# Altium PCB 自控开板V2.PcbDoc
Units mm, origin at the board's own origin, x right, y up, seen from the top; angles counter-clockwise.
Board outline 152.4 x 101.6 mm, 2 copper layers (Top Layer, Bottom Layer); 104 components, 0 nets, 414 pads, 162 vias.
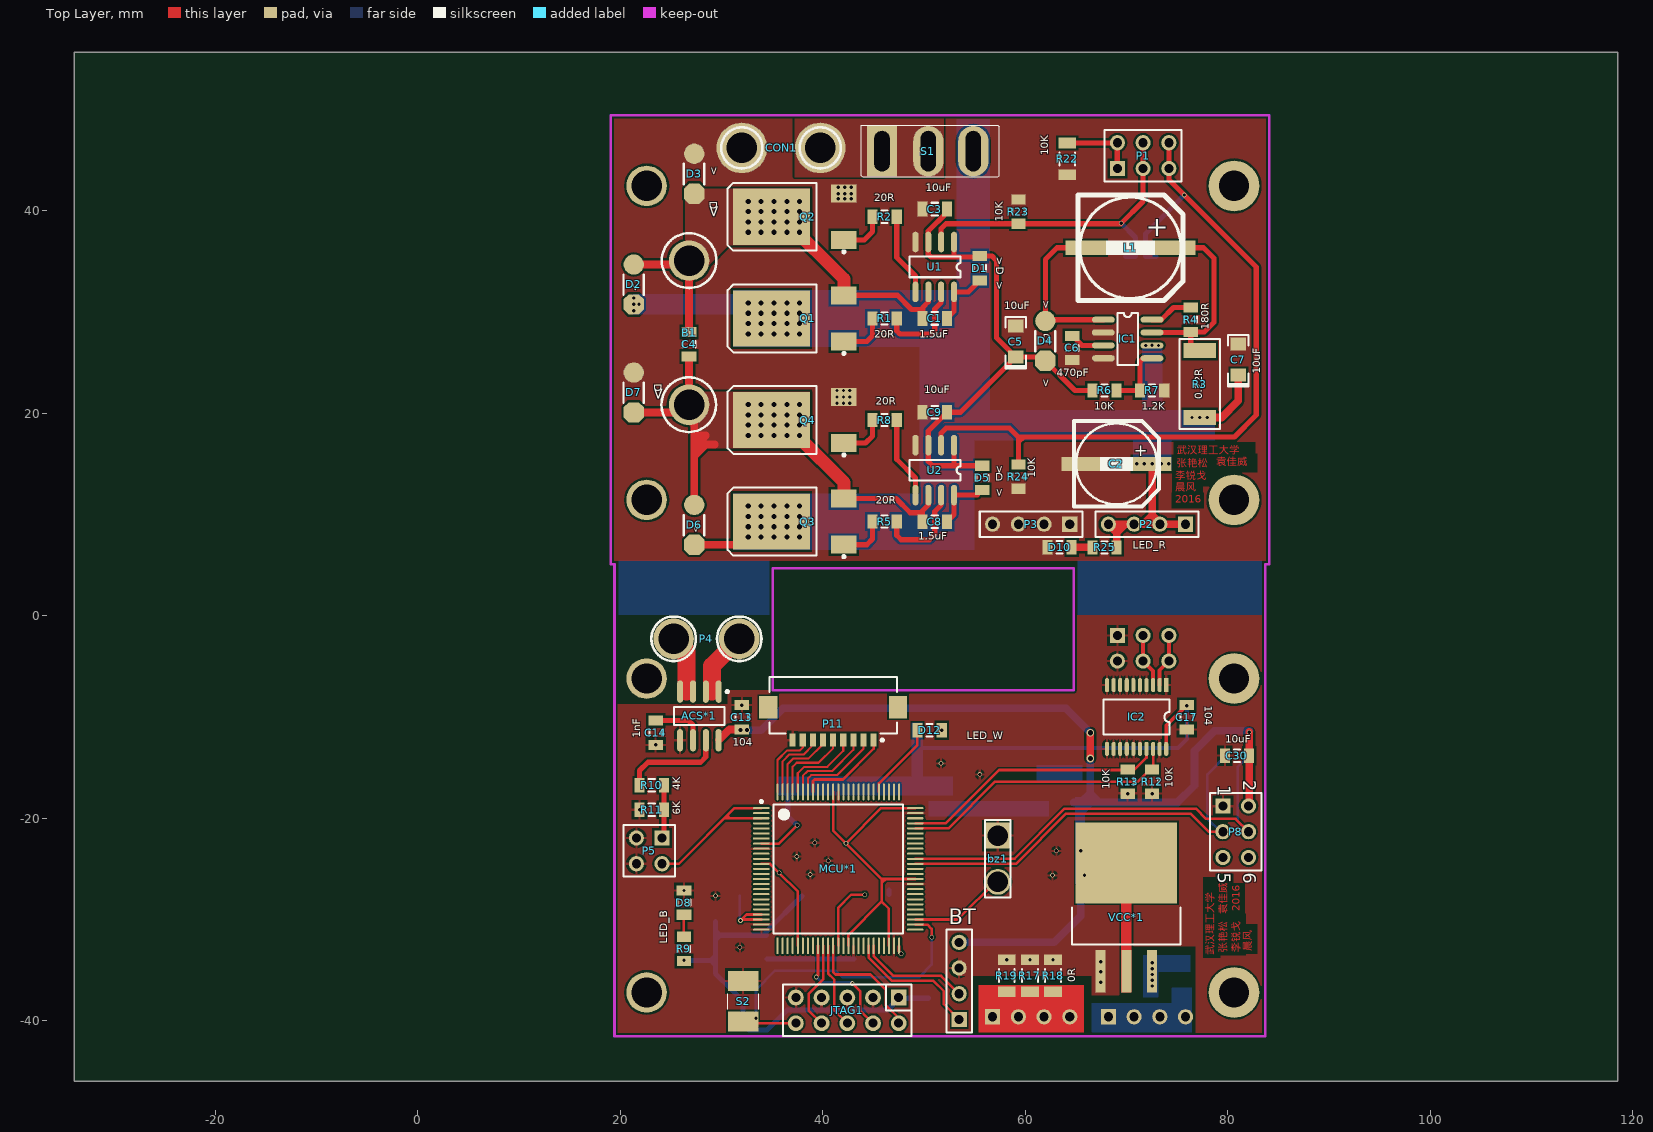
[diagram p0: Top Layer view]
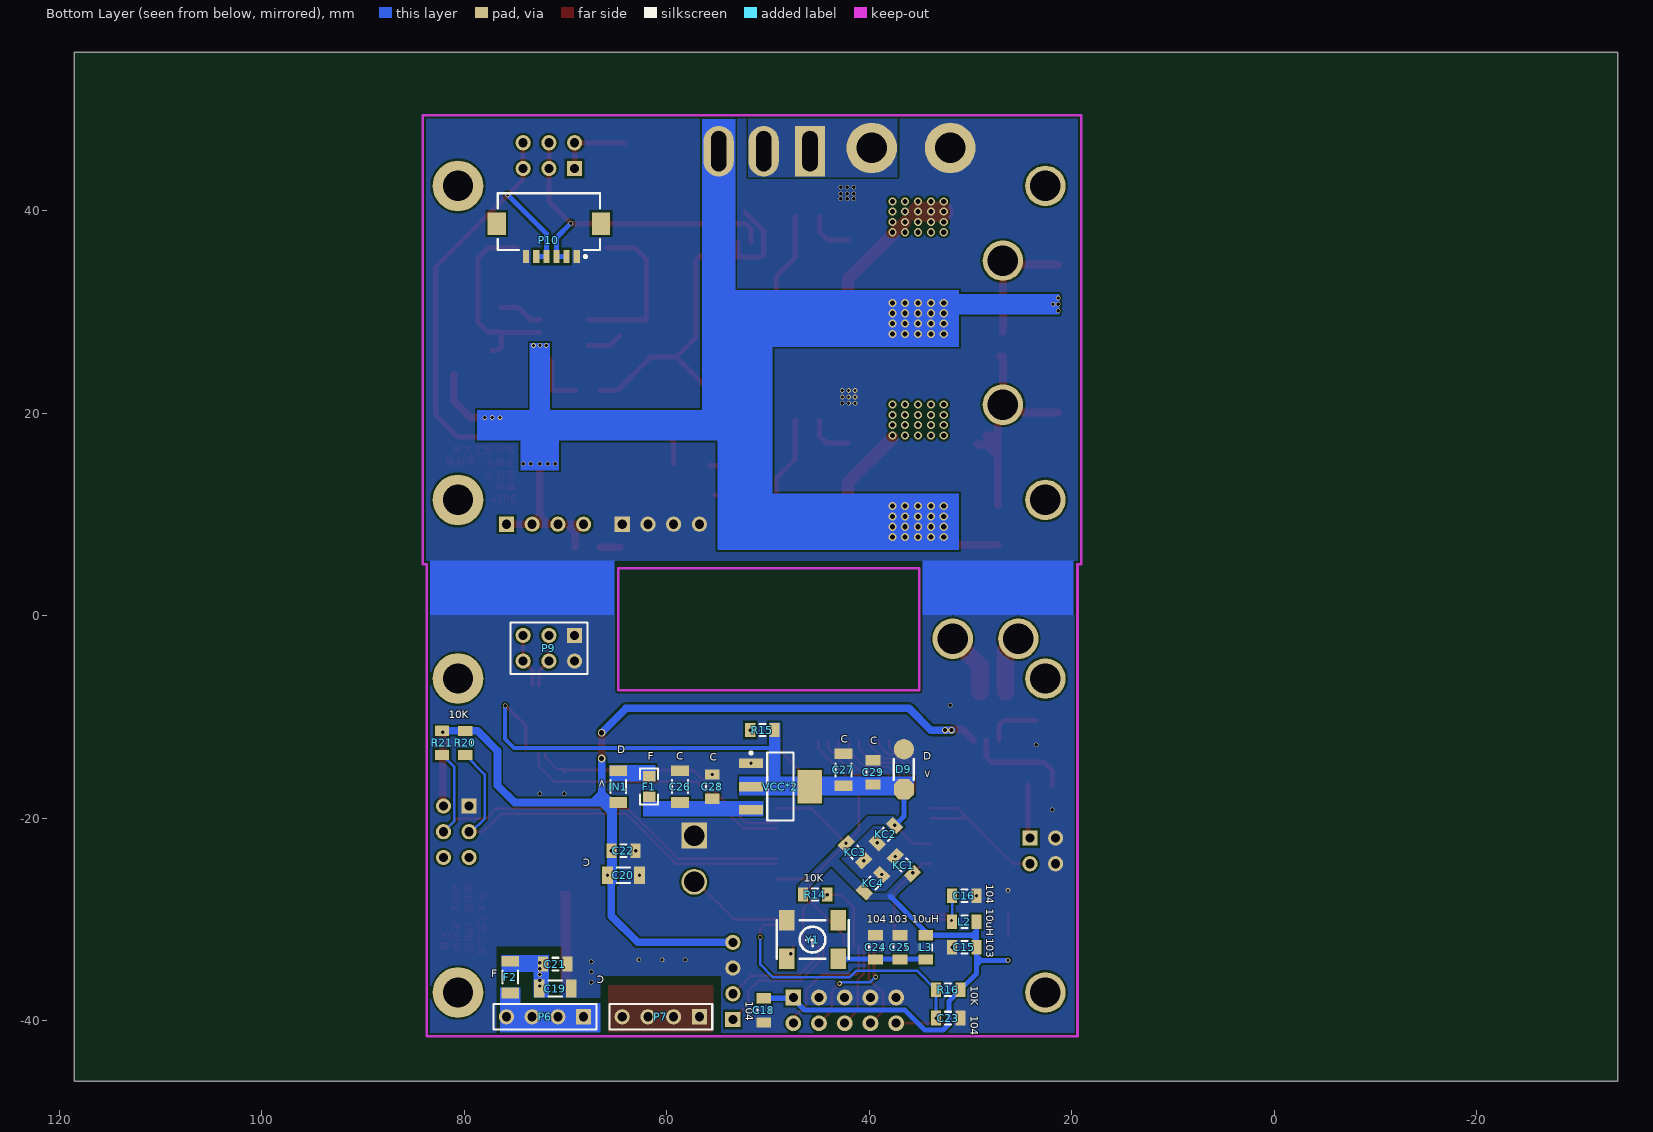
[diagram p1: Bottom Layer view, seen from below]

## Layer stack, top to bottom
Top Layer: signal copper 0.0356
Dielectric: dielectric 0.32, FR-4, Dk 4.8
Bottom Layer: signal copper 0.0356

## Board outline
-33.909,-45.974 118.491,-45.974 118.491,55.626 -33.909,55.626

## Design rules (kind name [scope] priority, off if disabled: settings)
Clearance [All] p1: gap=0.254
PolygonConnect [All] p1: connectstyle=Relief reliefconductorwidth=0.254 reliefentries=4 polygonreliefangle="90 Angle" airgapwidth=0.254
RoutingVias [All] p1: holewidth=0.711 width=1.27 viastyle="Through Hole" minholewidth=0.711 minwidth=1.27 maxholewidth=0.711 maxwidth=1.27
SolderMaskExpansion [All] p1: expansion=0.102
Width [All] p1: maxlimit=0.254 minlimit=0.254 preferedwidth=0.254
28 further rules are at their usual default settings.

## Components (designator, comment, footprint, x,y, rotation, side; value= is the part's Value field where it differs from the comment)
ACS*1 "ACS712 AMPSENSOR" "SOIC1-8N ACS712" 27.813,-9.906 r270 top
B1 "Motor" KF301-2P#1 26.924,22.225 r180 top
BT "Header 4" HDR1X4 53.467,-39.878 r90 top
bz1 "Header 3" HDR1X3 57.277,-21.463 r270 top
C1 "CAP" C2012 51.054,29.349 r0 top
C2 "Cap" SMD-EC-F8 72.517,14.986 r180 top
C3 "Cap Pol1" C2012 51.054,40.144 r180 top
C4 "Cap" C2012 26.797,26.797 r270 top
C5 "Cap Pol1" 1206C 59.055,27.063 r270 top
C6 "Cap" C2012 64.643,26.428 r90 top
C7 "Cap Pol1" 1206C 81.026,25.285 r270 top
C8 "Cap" C2012 51.054,9.283 r0 top
C9 "Cap Pol1" C2012 51.054,20.078 r180 top
C13 "Cap" C2012 32.004,-10.033 r270 top
C14 "Cap" C2012 23.495,-11.557 r270 top
C15 "100nF" C2012 30.607,-32.754 r180 bottom
C16 "10nF" C2012 30.607,-27.674 r0 bottom
C17 "100nF" C2012 75.946,-10.033 r270 top
C18 "100nF" C2012 50.419,-38.977 r270 bottom
C19 "Cap Pol1" 1206(2) 70.993,-36.818 r180 bottom
C20 "Cap Pol1" 1206(2) 64.262,-25.642 r180 bottom
C21 "Cap" C2012 70.993,-34.405 r0 bottom
C22 "Cap" C2012 64.262,-23.229 r0 bottom
C23 "100nF" C2012 32.201,-39.739 r0 bottom
C24 "10nF" C2012 39.37,-32.754 r270 bottom
C25 "100nF" C2012 36.957,-32.754 r270 bottom
C26 "Cap Pol1" 1206(2) 58.674,-16.879 r90 bottom
C27 "Cap Pol1" 1206(2) 42.545,-15.228 r90 bottom
C28 "Cap" C2012 55.499,-16.879 r270 bottom
C29 "Cap" C2012 39.624,-15.482 r270 bottom
C30 "Cap Pol1" C2012 80.899,-13.831 r180 top
CON1 "PowerIn" KF301-2P#2 35.941,46.184 r270 top
D1 "S4" R2012 55.499,34.302 r270 top
D2 "SS14" "hole-chip diode" 20.32,34.671 r270 top
D3 "SS14" "hole-chip diode" 26.289,45.605 r270 top
D4 "SS14" "hole-chip diode" 60.96,29.095 r270 top
D5 "S4" R2012 55.753,13.601 r270 top
D6 "SS14" "hole-chip diode" 26.289,10.934 r270 top
D7 "SS14" "hole-chip diode" 20.32,24.003 r270 top
D8 "POWER" C2012 26.289,-28.333 r90 top
D9 "1N4729A" "hole-chip diode" 37.592,-13.196 r270 bottom
D10 "POWER" C2012 63.373,6.743 r180 top
D12 "POWER" C2012 50.546,-11.303 r180 top
F1 "300mA" 0805(2012) 61.722,-16.879 r90 bottom
F2 "500mA" 1206(2) 75.438,-35.687 r90 bottom
IC1 "MC34063" MC34063 70.104,27.317 r0 top
IC2 "74LVC245" "74LVC245 TSSOP" 73.914,-6.858 r270 top
IN1 "1SS355" 1206(2) 64.77,-16.879 r90 bottom
JTAG1 "Header 5X2" IDC5X2 42.418,-38.977 r180 top
KC1 "100nF" C2012 36.576,-24.626 r225 bottom
KC2 "100nF" C2012 38.354,-21.578 r135 bottom
KC3 "100nF" C2012 41.402,-23.356 r45 bottom
KC4 "100nF" C2012 39.624,-26.404 r315 bottom
L1 "Inductor" SMD-EC-F10 74.803,36.322 r180 top
L2 "Inductor" C2012 30.607,-30.214 r0 bottom
L3 "Inductor" C2012 34.417,-32.754 r270 bottom
MCU*1 "k60P100" LQFP100 41.529,-25.007 r0 top
P1 "Header 3X2" HDR2X3 69.088,44.152 r0 top
P2 "Header 4" HDR1X4 75.819,9.029 r180 top
P3 "Header 4" HDR1X4 64.389,9.029 r180 top
P4 "Header 2" KF301-2P#3 27.813,-2.286 r270 top
P5 "Header 2X2" HDR2X2 24.13,-21.959 r180 top
P6 "Header 4" HDR1X4 68.199,-39.612 r0 bottom
P7 "Header 4" HDR1X4 56.769,-39.612 r0 bottom
P8 "Header 3X2" HDR2X3 79.502,-18.796 r270 top
P9 "Header 3X2" HDR2X3 69.088,-1.949 r0 bottom
P10 "Header 6" FFC/SM1.0-2H6 71.628,37.084 r0 bottom
P11 "Header 9" FFC/SM1.0-2H9 41.021,-10.668 r180 top
Q1 "IR7843" LR7843 38.481,29.349 r0 top
Q2 "IR7843" LR7843 38.481,39.382 r0 top
Q3 "IR7843" LR7843 38.481,9.283 r0 top
Q4 "IR7843" LR7843 38.481,19.316 r0 top
R1 "Res2" R2012 46.101,29.349 r180 top
R2 "Res2" R2012 46.101,39.382 r180 top
R3 "Res2" SK54 77.216,22.872 r270 top
R4 "Res2" R2012 76.327,29.222 r270 top
R5 "Res2" R2012 46.101,9.283 r180 top
R6 "Res2" R2012 67.818,22.237 r0 top
R7 "Res2" R2012 72.517,22.237 r180 top
R8 "Res2" R2012 46.101,19.316 r180 top
R9 "1K" R2012 26.289,-32.905 r270 top
R10 "注意精度" R2012 23.114,-16.752 r0 top
R11 "注意精度" R2012 23.114,-19.165 r0 top
R12 "Res2" R2012 72.517,-16.383 r270 top
R13 "Res2" R2012 70.104,-16.383 r270 top
R14 "10K" R2012 45.339,-27.547 r180 bottom
R15 "1K" R2012 50.546,-11.303 r180 bottom
R16 "10K" R2012 32.201,-36.945 r180 bottom
R17 "Res2" 1206(2) 60.452,-35.548 r90 top
R18 "Res2" 1206(2) 62.738,-35.548 r90 top
R19 "Res2" 1206(2) 58.166,-35.548 r90 top
R20 "Res2" R2012 79.883,-12.573 r90 bottom
R21 "Res2" R2012 82.169,-12.561 r270 bottom
R22 "Res2" 1206(2) 64.135,45.097 r90 top
R23 "Res2" R2012 59.309,39.89 r270 top
R24 "Res2" R2012 59.309,13.728 r90 top
R25 "1K" R2012 67.818,6.743 r0 top
S1 "SW-SPST" SW-125V6A(-) 45.847,45.859 r0 top
S2 "SW-PB" "sw 3*4 *2" 30.607,-36.068 r270 top
U1 "IR2104S" IR2104 51.054,34.429 r270 top
U2 "IR2104S" IR2104 51.054,14.363 r270 top
VCC*1 "LM1086" "DPAK LM2940" 69.977,-28.817 r90 top
VCC*2 "LM1086" lm1117 47.752,-16.498 r0 bottom
Y1 "50MHZ" 贴片有源晶体 43.053,-30.087 r0 bottom

## Footprints (in the part's own frame and the unit in brackets; to place one, negate y for a bottom-side part, rotate by r counter-clockwise, add the part's x,y. Pads: shape width x height; smd on the part's side, far side on the other; paste and mask are expansions set on the pad)
"74LVC245 TSSOP" [mm]
  rect 1.4x0.4 smd: 1(0,0)
  oval 1.4x0.4 smd: 2(0,-0.65) 3(0,-1.3) 4(0,-1.95) 5(0,-2.6) 6(0,-3.25) 7(0,-3.9) 8(0,-4.55) 9(0,-5.2) 10(0,-5.85) 11(6.3,-5.85) 12(6.3,-5.2) 13(6.3,-4.55) 14(6.3,-3.9) 15(6.3,-3.25) 16(6.3,-2.6) 17(6.3,-1.95) 18(6.3,-1.3) 19(6.3,-0.65) 20(6.3,0)
  silkscreen extent 1.43,-6.18 4.87,0.33
0805(2012) [mil]
  rect 40x50 smd: 1(-40,0) 2(40,0)
  silkscreen extent -70,-35 70,35
1206(2) [mm]
  rect 1.05x1.75 smd: 1(-1.575,0) 2(1.575,0)
  silkscreen extent -0.65,-0.77 0.65,0.77, body extent -1.6,-0.8 1.6,0.8, height 1.6
1206C [mil]
  rect 50x60 smd: 1(60,0) 2(-60,0)
  silkscreen extent -95,-40 105,40
C2012 [mm] "Chip Capacitor, 2-Leads, Body 2.0x1.2mm, IPC Low Density"
  rect 1x1.45 smd: 1(-1.2,0) 2(1.2,0)
  silkscreen extent -0.3,-0.63 0.3,0.63, body extent -0.98,-0.6 1.02,0.6, height 0.5
"DPAK LM2940" [mm] "D2-PAK, 4-Pads, Body 7.93x8.69mm (max), IPC Medium Density"
  rect 4.2x1 smd: 1(-6.3,2.54) 2(-6.3,0) 3(-6.3,-2.54)
  rect 8x10 smd: 4(4.4,0)
  silkscreen extent -3.65,-5.35 0,5.35, body extent -3.65,-5.33 6,5.33, height 4.83
FFC/SM1.0-2H6 [mm] "Connector; FH12 Series; 6 Position; 1.0mm Spaced Bottom Eccentric Contact"
  rect 0.6x1.3 smd: 1(-2.75,1.625) 2(-1.75,1.625) 3(-0.75,1.625) 4(0.25,1.625) 5(1.25,1.625) 6(2.25,1.625)
  rect 1.8x2.2 smd: 7(5.15,-1.625) 8(-5.15,-1.625)
  silkscreen extent -5.05,-4.62 5.05,1.75, body extent -5.05,-4.62 5.05,0.97, height 2
FFC/SM1.0-2H9 [mm] "Connector; FH12 Series; 9 Position; 1.0mm Spaced Bottom Standard Contact"
  rect 0.6x1.3 smd: 1(-4,1.625) 2(-3,1.625) 3(-2,1.625) 4(-1,1.625) 5(0,1.625) 6(1,1.625) 7(2,1.625) 8(3,1.625) 9(4,1.625)
  rect 1.8x2.2 smd: 10(6.4,-1.625) 11(-6.4,-1.625)
  silkscreen extent -6.3,-4.62 6.3,1.75, body extent -6.3,-4.62 6.3,0.97, height 2
HDR1X3 [mil] "Connector; Header; 3 Position"
  rect 100x100 hole 80: 1(10,0)
  round 100 hole 80: 3(190,0)
  silkscreen extent -50,-50 250,50
HDR1X4 [mm] "Connector; Header; 4 Position"
  rect 1.5x1.5 hole 0.9: 1(0,0)
  round 1.5 hole 0.9: 2(2.54,0) 3(5.08,0) 4(7.62,0)
  silkscreen extent -1.27,-1.27 8.89,1.27, body extent -1.27,-1.27 8.89,1.27, height 7.58
HDR2X2 [mm] "Connector; Header; 2x2 Position"
  rect 1.5x1.5 hole 0.9: 1(0,0)
  round 1.5 hole 0.9: 2(0,2.54) 3(2.54,0) 4(2.54,2.54)
  silkscreen extent -1.27,-1.27 3.81,3.81, body extent -1.27,-1.27 3.81,3.81, height 7.58
HDR2X3 [mm] "Connector; Header; 3x2 Position"
  rect 1.5x1.5 hole 0.9: 1(0,0)
  round 1.5 hole 0.9: 2(0,2.54) 3(2.54,0) 4(2.54,2.54) 5(5.08,0) 6(5.08,2.54)
  silkscreen extent -1.27,-1.27 6.35,3.81
"hole-chip diode" [mm]
  round 2 smd: 1(0,1.016)
  oct 2x2 smd: 2(3.937,1.016)
  silkscreen extent 1,0 3,2
IDC5X2 [mil]
  rect 62x62 hole 35: 1(-200,-50)
  round 62 hole 35: 2(-200,50) 3(-100,-50) 4(-100,50) 5(0,-50) 6(0,50) 7(100,-50) 8(100,50) 9(200,-50) 10(200,50)
  silkscreen extent -250,-100 250,100
IR2104 [mil]
  oval 80x23.62 smd: 1(-97,75) 2(-97,25) 3(-97,-25) 4(-97,-75) 5(97,-75) 6(97,-25) 7(97,25) 8(97,75)
  silkscreen extent -40,-98 40,100
KF301-2P#1 [mm]
  round 4 hole 3: 1(0.127,-12.827) 2(0.127,1.397)
  silkscreen extent -2.57,-15.53 2.86,4.1
KF301-2P#2 [mm]
  round 5 hole 3: 1(0,-3.937) 2(0,3.81)
  silkscreen extent -2.03,-5.97 2.03,5.84
KF301-2P#3 [mm]
  round 4 hole 3: 1(0,-2.54) 2(0,3.937)
  silkscreen extent -2.2,-4.74 2.2,6.14
lm1117 [mm]
  rect 2.4x0.95 smd: 1(3.916,-1.919) 2(3.916,0.381) 3(3.916,2.681)
  rect 2.4x3.3 smd: 4(-1.884,0.381)
  silkscreen extent -0.28,-3.07 4.04,3.73, body extent -0.83,-2.97 2.87,3.73, height 1.8
LQFP100 [mm] "SQFP, 100-Leads, Body 14.00x14.00mm, Pitch 0.50mm, IPC Medium Density"
  oval 1.65x0.2 smd: 1(-7.6,6) 2(-7.6,5.5) 3(-7.6,5) 4(-7.6,4.5) 5(-7.6,4) 6(-7.6,3.5) 7(-7.6,3) 8(-7.6,2.5) 9(-7.6,2) 10(-7.6,1.5) 11(-7.6,1) 12(-7.6,0.5) 13(-7.6,0) 14(-7.6,-0.5) 15(-7.6,-1) 16(-7.6,-1.5) 17(-7.6,-2) 18(-7.6,-2.5) 19(-7.6,-3) 20(-7.6,-3.5) 21(-7.6,-4) 22(-7.6,-4.5) 23(-7.6,-5) 24(-7.6,-5.5) 25(-7.6,-6) 51(7.6,-6) 52(7.6,-5.5) 53(7.6,-5) 54(7.6,-4.5) 55(7.6,-4) 56(7.6,-3.5) 57(7.6,-3) 58(7.6,-2.5) 59(7.6,-2) 60(7.6,-1.5) 61(7.6,-1) 62(7.6,-0.5) 63(7.6,0) 64(7.6,0.5) 65(7.6,1) 66(7.6,1.5) 67(7.6,2) 68(7.6,2.5) 69(7.6,3) 70(7.6,3.5) 71(7.6,4) 72(7.6,4.5) 73(7.6,5) 74(7.6,5.5) 75(7.6,6)
  oval 0.2x1.65 smd: 26(-6,-7.6) 27(-5.5,-7.6) 28(-5,-7.6) 29(-4.5,-7.6) 30(-4,-7.6) 31(-3.5,-7.6) 32(-3,-7.6) 33(-2.5,-7.6) 34(-2,-7.6) 35(-1.5,-7.6) 36(-1,-7.6) 37(-0.5,-7.6) 38(0,-7.6) 39(0.5,-7.6) 40(1,-7.6) 41(1.5,-7.6) 42(2,-7.6) 43(2.5,-7.6) 44(3,-7.6) 45(3.5,-7.6) 46(4,-7.6) 47(4.5,-7.6) 48(5,-7.6) 49(5.5,-7.6) 50(6,-7.6) 76(6,7.6) 77(5.5,7.6) 78(5,7.6) 79(4.5,7.6) 80(4,7.6) 81(3.5,7.6) 82(3,7.6) 83(2.5,7.6) 84(2,7.6) 85(1.5,7.6) 86(1,7.6) 87(0.5,7.6) 88(0,7.6) 89(-0.5,7.6) 90(-1,7.6) 91(-1.5,7.6) 92(-2,7.6) 93(-2.5,7.6) 94(-3,7.6) 95(-3.5,7.6) 96(-4,7.6) 97(-4.5,7.6) 98(-5,7.6) 99(-5.5,7.6) 100(-6,7.6)
  silkscreen extent -7.72,-6.38 6.38,6.77, body extent -7,-7 7,7, height 1.7
LR7843 [mm]
  rect 2.54x1.778 smd: 1(3.6,-2.28) 3(3.6,2.28)
  rect 7.6x5.55 smd: 2(-3.556,0)
  silkscreen extent -7.87,-3.58 3.73,3.35
MC34063 [mm]
  oval 2.25x0.6 smd: 1(-2.4,1.905) 2(-2.4,0.635) 3(-2.4,-0.635) 4(-2.4,-1.905) 5(2.4,-1.905) 6(2.4,-0.635) 7(2.4,0.635) 8(2.4,1.905)
  silkscreen extent -1.02,-2.55 1.02,2.55
R2012 [mm] "Chip Resistor, 2-Leads, Body 2.0x1.2mm, IPC Low Density"
  rect 1x1.4 smd: 1(-1.2,0) 2(1.2,0)
  silkscreen extent -0.3,-0.6 0.3,0.6, body extent -0.98,-0.6 1.02,0.6, height 0.5
SK54 [mm]
  rect 1.52x3.18 smd: A(-3.305,0) K(3.305,0)
  silkscreen extent -4.43,-2 4.43,2.01
SMD-EC-F8 [mm]
  rect 3.8x1.4 smd: 1(0,0) 2(7.051,0)
  silkscreen extent -0.69,-4.22 7.71,4.2
SMD-EC-F10 [mm]
  rect 4x1.4 smd: 1(0,0) 2(8.86,0)
  silkscreen extent -0.78,-5.2 9.62,5.2
"SOIC1-8N ACS712" [mm]
  oval 2.2x0.6 smd: 1(-2.4,1.905) 2(-2.4,0.635) 3(-2.4,-0.635) 4(-2.4,-1.905) 5(2.4,-1.905) 6(2.4,-0.635) 7(2.4,0.635) 8(2.4,1.905)
  silkscreen extent -2.52,-2.5 0.9,2.88, body extent -2,-2.5 2,2.5, height 1.75
"sw 3*4 *2" [mm]
  rect 2x3 smd: 1(0,1.524) 2(4,1.524)
  silkscreen extent 1.27,0 2.79,3.05
SW-125V6A(-) [mm]
  rect 3x5 hole 1.5 slot 4 at 90 deg: 0(0,0)
  oval 3x5 hole 1.5 slot 4 at 90 deg: 1(4.572,0) 2(9.017,0)
  silkscreen extent -2.03,-2.54 11.56,2.54
贴片有源晶体 [mil]
  rect 60x80 smd: 1(0,0) 2(200,0) 3(200,150) 4(0,150)
  silkscreen extent -40,0 240,150, body extent -37,-23 238,173, height 74

## Part data
B1: library part "Motor Servo", "Servo Motor"
BT P2 P3 P6 P7: "Header, 4-Pin"
bz1: "Header, 3-Pin"
C1 C15 C16 C17 C18 C23 C24 C25 KC1 KC2 KC3 KC4: library part Cap, "Capacitor"
C2: library part CAP+
C3 C5 C7 C9 C19 C20 C26 C27 C30: "Polarized Capacitor (Radial)"
C4 C6 C8 C13 C14: "Capacitor"
C21 C22 C28 C29: "贴片电容"
CON1: library part "Header 2", "Header, 2-Pin"
D1 D2 D3 D4 D5 D6 D7: library part "Diode 1N4007", "1 Amp General Purpose Rectifier"
D8 D10 D12: library part LED, "Typical INFRARED GaAs LED"
D9 IN1: library part "Diode 1N4148", "High Conductance Fast Diode"
F1 F2: library part "Fuse 1", "Fuse"
JTAG1: "Header, 5-Pin, Dual row"
P1 P8 P9: "Header, 3-Pin, Dual row"
P4: "Header, 2-Pin"
P5: "Header, 2-Pin, Dual row"
P10: "Header, 6-Pin"
P11: "Header, 9-Pin"
Q1 Q2 Q3 Q4: library part NMOS-2, "N-Channel Power MOSFET"
R1 R2 R3 R4 R5 R6 R7 R8 R12 R13 R17 R18 R19 R20 R21 R22 R23 R24: "Resistor"
R9 R14 R15 R25: library part Res, "Resistor of led"
R10 R11: library part Res2, "Resistor"
R16: library part Res, "Resistor"
S1: "Single-Pole, Single-Throw Switch"
S2: "Switch"
U1 U2: library part Component_1_1
Y1: library part XTAL1

## Free pads (board coordinates)
  round 4 hole 3: ""(22.606,-37.211) ""(22.606,-6.211) ""(22.606,11.43) ""(22.606,42.43)
  round 5 hole 3: ""(80.606,-37.211) ""(80.606,-6.211) ""(80.606,11.43) ""(80.606,42.43)

## Via types
v1: diameter 0.8, hole 0.5, Top Layer to Bottom Layer, 80 vias
v2: diameter 0.457, hole 0.33, Top Layer to Bottom Layer, 78 vias
v3: diameter 0.635, hole 0.381, Top Layer to Bottom Layer, 2 vias
v4: diameter 0.762, hole 0.508, Top Layer to Bottom Layer, 2 vias

## Nets (pads, with @x,y where several pads share a name; then routed paths per layer and width w, separated by ;. In a path a pad name is that pad's centre, name@x,y a point inside that pad or via, vN(x,y) a via of type N, cw(c..) or ccw(c..) an arc to the next point about the centre after c; other vN are vias at no path point)
pads on no net: ACS*1.1 ACS*1.2 ACS*1.3 ACS*1.4 ACS*1.5 ACS*1.6 ACS*1.7 ACS*1.8 B1.1 B1.2 BT.1 BT.2 BT.3 BT.4 bz1.1 bz1.3 C1.1 C1.2 C2.1 C2.2 C3.1 C3.2 C4.1 C4.2 C5.1 C5.2 C6.1 C6.2 C7.1 C7.2 C8.1 C8.2 C9.1 C9.2 C13.1 C13.2 C14.1 C14.2 C15.1 C15.2 C16.1 C16.2 C17.1 C17.2 C18.1 C18.2 C19.1 C19.2 C20.1 C20.2 C21.1 C21.2 C22.1 C22.2 C23.1 C23.2 C24.1 C24.2 C25.1 C25.2 C26.1 C26.2 C27.1 C27.2 C28.1 C28.2 C29.1 C29.2 C30.1 C30.2 CON1.1 CON1.2 D1.1 D1.2 D2.1 D2.2 D3.1 D3.2 D4.1 D4.2 D5.1 D5.2 D6.1 D6.2 D7.1 D7.2 D8.1 D8.2 D9.1 D9.2 D10.1 D10.2 D12.1 D12.2 F1.1 F1.2 F2.1 F2.2 IC1.1 IC1.2 IC1.3 IC1.4 IC1.5 IC1.6 IC1.7 IC1.8 IC2.1 IC2.2 IC2.3 IC2.4 IC2.5 IC2.6 IC2.7 IC2.8 IC2.9 IC2.10 IC2.11 IC2.12 IC2.13 IC2.14 IC2.15 IC2.16 IC2.17 IC2.18 IC2.19 IC2.20 IN1.1 IN1.2 JTAG1.1 JTAG1.2 JTAG1.3 JTAG1.4 JTAG1.5 JTAG1.6 JTAG1.7 JTAG1.8 JTAG1.9 JTAG1.10 KC1.1 KC1.2 KC2.1 KC2.2 KC3.1 KC3.2 KC4.1 KC4.2 L1.1 L1.2 L2.1 L2.2 L3.1 L3.2 MCU*1.1 MCU*1.2 MCU*1.3 MCU*1.4 MCU*1.5 MCU*1.6 MCU*1.7 MCU*1.8 MCU*1.9 MCU*1.10 MCU*1.11 MCU*1.12 MCU*1.13 MCU*1.14 MCU*1.15 MCU*1.16 MCU*1.17 MCU*1.18 MCU*1.19 MCU*1.20 MCU*1.21 MCU*1.22 MCU*1.23 MCU*1.24 MCU*1.25 MCU*1.26 MCU*1.27 MCU*1.28 MCU*1.29 MCU*1.30 MCU*1.31 MCU*1.32 MCU*1.33 MCU*1.34 MCU*1.35 MCU*1.36 MCU*1.37 MCU*1.38 MCU*1.39 MCU*1.40 MCU*1.41 MCU*1.42 MCU*1.43 MCU*1.44 MCU*1.45 MCU*1.46 MCU*1.47 MCU*1.48 MCU*1.49 MCU*1.50 MCU*1.51 MCU*1.52 MCU*1.53 MCU*1.54 MCU*1.55 MCU*1.56 MCU*1.57 MCU*1.58 MCU*1.59 MCU*1.60 MCU*1.61 MCU*1.62 MCU*1.63 MCU*1.64 MCU*1.65 MCU*1.66 MCU*1.67 MCU*1.68 MCU*1.69 MCU*1.70 MCU*1.71 MCU*1.72 MCU*1.73 MCU*1.74 MCU*1.75 MCU*1.76 MCU*1.77 MCU*1.78 MCU*1.79 MCU*1.80 MCU*1.81 MCU*1.82 MCU*1.83 MCU*1.84 MCU*1.85 MCU*1.86 MCU*1.87 MCU*1.88 MCU*1.89 MCU*1.90 MCU*1.91 MCU*1.92 MCU*1.93 MCU*1.94 MCU*1.95 MCU*1.96 MCU*1.97 MCU*1.98 MCU*1.99 MCU*1.100 P1.1 P1.2 P1.3 P1.4 P1.5 P1.6 P2.1 P2.2 P2.3 P2.4 P3.1 P3.2 P3.3 P3.4 P4.1 P4.2 P5.1 P5.2 P5.3 P5.4 P6.1 P6.2 P6.3 P6.4 P7.1 P7.2 P7.3 P7.4 P8.1 P8.2 P8.3 P8.4 P8.5 P8.6 P9.1 P9.2 P9.3 P9.4 P9.5 P9.6 P10.1 P10.2 P10.3 P10.4 P10.5 P10.6 P10.7 P10.8 P11.1 P11.2 P11.3 P11.4 P11.5 P11.6 P11.7 P11.8 P11.9 P11.10 P11.11 Q1.1 Q1.2 Q1.3 Q2.1 Q2.2 Q2.3 Q3.1 Q3.2 Q3.3 Q4.1 Q4.2 Q4.3 R1.1 R1.2 R2.1 R2.2 R3.A R3.K R4.1 R4.2 R5.1 R5.2 R6.1 R6.2 R7.1 R7.2 R8.1 R8.2 R9.1 R9.2 R10.1 R10.2 R11.1 R11.2 R12.1 R12.2 R13.1 R13.2 R14.1 R14.2 R15.1 R15.2 R16.1 R16.2 R17.1 R17.2 R18.1 R18.2 R19.1 R19.2 R20.1 R20.2 R21.1 R21.2 R22.1 R22.2 R23.1 R23.2 R24.1 R24.2 R25.1 R25.2 S1.0 S1.1 S1.2 S2.1 S2.2 U1.1 U1.2 U1.3 U1.4 U1.5 U1.6 U1.7 U1.8 U2.1 U2.2 U2.3 U2.4 U2.5 U2.6 U2.7 U2.8 VCC*1.1 VCC*1.2 VCC*1.3 VCC*1.4 VCC*2.1 VCC*2.2 VCC*2.3 VCC*2.4 Y1.1 Y1.2 Y1.3 Y1.4
copper on no net: | length 1041.8
  Top Layer w0.203: 35.529,-17.407 35.529,-14.255 36.474,-13.31 37.744,-13.31 38.021,-13.033 38.021,-12.293 ; 36.029,-17.407 36.029,-14.39 36.703,-13.716 38.1,-13.716 39.021,-12.795 39.021,-12.293 ; 36.529,-17.407 36.529,-14.652 37.059,-14.122 38.583,-14.122 40.021,-12.684 40.021,-12.293 ; 37.029,-17.407 37.029,-14.914 37.414,-14.529 39.573,-14.529 41.021,-13.081 41.021,-12.293 ; 37.529,-17.407 37.529,-15.557 38.151,-14.935 40.437,-14.935 42.021,-13.351 42.021,-12.293 ; 38.029,-17.407 38.029,-15.819 38.506,-15.342 40.919,-15.342 43.021,-13.24 43.021,-12.293 ; 38.529,-17.407 38.529,-16.081 38.862,-15.748 41.402,-15.748 44.021,-13.129 44.021,-12.293
  Top Layer w0.254: 24.13,-24.499 25.793,-24.499 31.285,-19.007 33.929,-19.007 ; 26.289,-31.705 26.289,-29.533 ; 30.353,-20.007 30.861,-20.007 ; 30.602,-19.748 30.861,-20.007 ; v2(31.877,-30.099) v2@31.969,-30.007 ; 32.31,-40.247 37.338,-40.247 ; 33.929,-30.007 v2@31.969,-30.007 ; 33.929,-29.507 32.469,-29.507 v2@31.969,-30.007 ; 33.929,-24.507 34.794,-24.507 v2(35.687,-25.4) 37.529,-27.242 37.529,-32.607 ; 33.929,-22.507 35.659,-22.507 v2(37.465,-20.701) ; 33.929,-20.007 30.861,-20.007 ; 39.029,-17.407 39.029,-16.343 39.192,-16.18 41.986,-16.18 45.021,-13.145 45.021,-12.293 ; v2(39.37,-35.687) 39.529,-35.528 39.529,-32.607 ; 39.878,-40.247 38.608,-38.977 38.608,-37.338 40.029,-35.917 40.029,-32.607 ; 40.529,-32.607 40.529,-35.334 41.148,-35.953 41.148,-38.977 42.418,-40.247 ; 41.029,-32.607 41.029,-35.187 41.275,-35.433 44.704,-35.433 46.228,-36.957 46.228,-38.479 47.498,-39.749 47.498,-40.247 ; 41.029,-17.407 41.029,-21.217 v2(42.291,-22.479) ; 41.529,-32.607 41.529,-28.829 42.799,-27.559 v2@44.069,-27.559 ; 42.529,-32.607 42.529,-31.522 45.819,-28.232 ; v2(42.926,-36.322) 43.688,-37.084 43.688,-38.977 44.958,-40.247 ; 44.529,-32.607 44.529,-33.746 46.851,-36.068 50.927,-36.068 51.943,-37.084 51.943,-38.354 53.467,-39.878 ; 45.029,-32.607 45.029,-33.599 46.99,-35.56 51.689,-35.56 53.467,-37.338 ; 45.529,-17.407 45.529,-16.574 49.346,-12.757 49.346,-11.303 ; 46.529,-32.607 46.529,-28.942 45.819,-28.232 ; 49.129,-30.507 50.319,-30.507 50.753,-30.941 v2(50.753,-31.75) ; 49.129,-30.007 53.305,-30.007 57.277,-26.035 ; 49.129,-26.007 46.228,-26.007 ; 49.129,-24.507 59.079,-24.507 64.036,-19.55 76.319,-19.55 78.105,-21.336 79.502,-21.336 ; 49.129,-24.007 58.932,-24.007 63.889,-19.05 76.835,-19.05 77.851,-20.066 80.772,-20.066 82.042,-21.336 ; 49.129,-21.007 52.399,-21.007 57.023,-16.383 71.12,-16.383 72.614,-14.889 72.614,-13.654 ; 49.129,-20.507 52.137,-20.507 57.404,-15.24 69.85,-15.24 70.104,-15.494 70.104,-15.183 70.796,-15.183 71.964,-14.015 71.964,-13.654 ; 49.129,-19.007 45.763,-19.007 v2(42.291,-22.479) ; v2(42.291,-22.479) 45.819,-26.007 ; 45.819,-28.232 45.819,-26.416 ; 45.819,-26.416 45.819,-26.007 ; 45.819,-26.416 46.228,-26.007 ; 45.819,-26.007 46.228,-26.007
  Top Layer w0.279: 47.529,-32.607 47.529,-33.178 v2(47.752,-33.401)
  Top Layer w0.381: 71.628,-1.949 71.628,-4.489 72.614,-5.475 72.614,-6.858 ; 73.264,-6.858 73.264,-5.393 74.168,-4.489 74.168,-1.949 ; 73.914,-13.158 73.914,-10.865 v2@75.946,-8.833
  Top Layer w0.508: 21.914,-16.752 21.914,-15.297 22.733,-14.478 27.94,-14.478 28.448,-13.97 28.448,-12.306 ; 23.495,-10.357 26.74,-10.357 27.178,-10.795 27.178,-12.306 ; 24.13,-21.959 24.314,-21.775 24.314,-19.165 24.314,-16.752 ; 42.081,7.003 44.341,7.003 44.901,7.563 44.901,9.283 ; 42.081,11.563 47.238,11.563 48.641,10.16 49.854,10.16 49.854,9.283 ; 42.081,17.036 44.214,17.036 44.901,17.723 44.901,19.316 ; 42.081,27.069 44.341,27.069 44.901,27.629 44.901,29.349 ; 42.081,31.629 47.365,31.629 48.768,30.226 49.784,30.226 49.854,30.156 49.854,29.349 49.911,29.406 49.911,30.48 50.419,30.988 50.419,31.965 ; 42.081,37.102 44.087,37.102 44.901,37.916 44.901,39.382 ; 47.301,9.283 47.301,7.944 47.752,7.493 50.546,7.493 51.054,8.001 51.054,10.287 51.689,10.922 51.689,11.899 ; 47.301,19.316 47.301,15.437 49.149,13.589 49.149,11.899 ; 47.301,29.349 47.301,28.137 47.625,27.813 50.673,27.813 51.054,28.194 51.054,30.288 51.689,30.923 51.689,31.965 ; 47.301,39.382 47.301,35.376 49.149,33.528 49.149,31.965 ; 49.854,10.357 50.419,10.922 50.419,11.899 ; 51.689,16.827 51.689,18.034 52.197,18.542 58.42,18.542 59.309,17.653 ; 51.689,36.893 51.689,38.227 52.152,38.69 59.309,38.69 69.424,38.69 71.628,40.894 71.628,44.152 71.628,46.692 ; 52.254,9.283 52.959,9.988 52.959,11.899 55.251,11.899 ; 52.254,29.349 52.959,30.054 52.959,31.965 54.362,31.965 55.499,33.102 ; 52.254,39.808 50.419,37.973 50.419,36.893 50.419,35.687 50.686,35.42 52.959,35.42 ; 52.959,14.928 52.959,16.827 ; 52.959,36.893 52.959,35.42 ; 55.753,14.801 50.858,14.801 50.419,15.24 50.419,16.827 50.419,18.243 52.254,20.078 53.594,20.078 59.055,25.539 ; 59.309,14.928 59.309,17.145 ; 61.976,29.095 61.976,35.179 63.119,36.322 65.943,36.322 ; 62.103,29.222 67.704,29.222 ; 64.135,46.672 69.068,46.672 69.068,44.172 69.088,44.152 ; 64.643,27.628 65.589,26.682 67.704,26.682 ; 66.618,22.237 64.897,22.237 61.976,25.158 61.595,25.539 59.055,25.539 ; 69.018,22.237 71.317,22.237 71.317,25.089 71.64,25.412 ; 72.504,25.412 72.516,25.4 ; 72.504,27.952 76.257,27.952 ; 72.504,29.222 73.418,29.222 74.618,30.422 76.327,30.422 ; 74.168,46.692 74.168,44.152 74.168,43.053 82.804,34.417 82.804,19.812 80.645,17.653 59.817,17.653 ; 74.803,36.322 77.597,36.322 78.613,35.306 78.613,28.956 77.679,28.022 76.327,28.022 76.327,26.543 76.693,26.177 77.216,26.177 ; 52.959,35.42 55.417,35.42 55.499,35.502 56.7,35.502 57.15,35.052 57.15,27.444 59.055,25.539 ; 59.309,17.145 59.309,17.653 ; 59.309,17.145 59.817,17.653 ; 59.309,17.653 59.817,17.653
  Top Layer w0.762: 21.336,20.066 26.035,20.066 ; 21.336,34.671 26.416,34.671 ; 26.797,20.828 26.797,25.597 27.108,25.597 ; 26.797,27.997 26.797,35.052 ; 27.305,6.997 32.639,6.997 ; 27.305,10.934 27.305,15.748 ; 27.305,20.32 27.305,17.78 ; 29.337,16.891 28.448,16.891 28.194,16.637 ; 29.718,-12.306 30.791,-11.233 v3@32.004,-11.233 ; 64.573,6.743 66.618,6.743 ; v4(66.421,-14.097) v4(66.421,-11.557) ; 69.018,6.743 69.018,8.21 ; 69.018,8.972 69.018,8.21 ; v2(72.517,14.986) 72.517,9.918 ; 73.279,9.156 72.517,9.918 ; 75.819,9.029 73.279,9.029 72.517,9.029 ; v2(77.216,19.567) 79.384,19.567 81.026,21.209 81.026,23.761 ; 82.099,-18.739 82.099,-13.831 v2(82.099,-11.5) ; 27.305,15.748 28.194,16.637 ; 27.305,15.748 27.305,16.637 ; 27.305,16.637 27.305,17.78 ; 27.305,16.637 28.194,16.637 ; 27.305,16.637 28.448,17.78 27.305,17.78 ; 69.018,8.21 69.837,9.029 ; 69.018,8.21 68.199,9.029 69.837,9.029 ; 69.837,9.029 70.739,9.029 71.628,9.029 ; 71.628,9.029 72.517,9.029 ; 71.628,9.029 72.517,9.918 ; 72.517,9.029 72.517,9.918
  Top Layer w1.27: v1@36.449,38.862 42.081,33.23 42.081,31.629 ; v1@37.719,17.526 42.081,13.164 42.081,11.563
  Top Layer w1.778: 25.273,-2.286 26.543,-3.556 26.543,-7.493 ; 29.083,-7.493 29.083,-4.953 31.75,-2.286
  Top Layer w2.032: 26.797,35.052 27.305,35.56 ; v1(32.639,39.89) v1(33.909,39.89) v1(35.179,39.89)
  Bottom Layer w0.254: v2@31.807,-30.029 31.807,-27.674 ; v2(33.401,-39.739) 33.401,-36.945 35.294,-35.052 41.275,-35.052 41.91,-35.687 49.53,-35.687 50.753,-34.464 v2(50.753,-31.75) ; v2(39.37,-35.687) 39.878,-36.195 42.799,-36.195 v2(42.926,-36.322) ; 79.502,-21.336 79.248,-21.336 77.978,-20.066 77.978,-15.678 79.883,-13.773 ; 82.042,-21.336 80.962,-20.256 80.962,-14.968 82.169,-13.761
  Bottom Layer w0.381: 49.53,-13.081 75.057,-13.081 75.946,-12.192 v2(75.946,-8.89)
  Bottom Layer w0.508: v2(26.289,-34.036) 28.956,-34.036 ; 29.407,-30.214 29.407,-31.116 ; 29.465,-31.554 29.845,-31.554 ; 34.417,-31.554 29.845,-31.554 ; 34.417,-31.208 37.939,-27.686 ; 34.474,-33.897 43.053,-33.897 ; 36.576,-17.133 36.576,-19.812 v2(37.465,-20.701) ; 46.539,-27.547 46.539,-27.108 ; 50.419,-37.777 47.567,-37.777 46.392,-38.952 36.486,-38.952 34.517,-40.921 32.712,-40.921 32.131,-40.341 32.131,-38.075 31.001,-36.945 29.407,-35.351 29.407,-34.487 ; v2(69.469,38.735) 70.878,37.326 70.878,35.459 69.878,35.459 ; 72.878,35.459 71.878,35.459 71.878,37.715 v2(75.692,41.529) ; 28.956,-34.036 29.407,-33.585 ; 28.956,-34.036 29.407,-34.036 ; 28.956,-34.036 29.407,-34.487 ; 29.407,-34.487 29.407,-34.036 ; 29.407,-34.036 29.407,-33.585 ; 29.407,-33.585 29.407,-32.754 29.407,-31.992 ; 29.407,-31.992 29.407,-31.116 ; 29.407,-31.992 29.845,-31.554 ; 29.407,-31.116 29.845,-31.554
  Bottom Layer w0.762: v3(31.877,-11.303) v3(32.512,-11.303) 33.909,-11.303 36.068,-9.144 64.008,-9.144 v4(66.421,-11.557) ; 53.467,-32.258 62.865,-32.258 65.462,-29.661 v2(65.462,-23.229) ; 64.77,-18.454 65.493,-18.454 ; 65.317,-19.558 66.421,-18.454 ; v4(66.421,-14.097) 66.421,-17.526 ; 67.31,-18.415 66.421,-17.526 ; v2@82.169,-11.361 78.682,-11.361 76.708,-13.335 76.708,-16.764 75.018,-18.454 66.421,-18.454 ; 65.493,-18.454 66.421,-17.526 ; 65.493,-18.454 66.421,-18.454 ; 66.421,-18.454 66.421,-17.526
  other v1: 32.639,7.759 33.909,7.759 35.179,7.759 36.449,7.759 37.719,7.759 32.639,8.775 33.909,8.775 35.179,8.775 36.449,8.775 37.719,8.775 32.639,9.791 33.909,9.791 35.179,9.791 36.449,9.791 37.719,9.791 32.639,10.807 33.909,10.807 35.179,10.807 36.449,10.807 37.719,10.807 32.639,17.792 33.909,17.792 35.179,17.792 36.449,17.792 37.719,17.792 32.639,18.808 33.909,18.808 35.179,18.808 36.449,18.808 37.719,18.808 32.639,19.824 33.909,19.824 35.179,19.824 36.449,19.824 37.719,19.824 32.639,20.84 33.909,20.84 35.179,20.84 36.449,20.84 37.719,20.84 32.639,27.825 33.909,27.825 35.179,27.825 36.449,27.825 37.719,27.825 32.639,28.841 33.909,28.841 35.179,28.841 36.449,28.841 37.719,28.841 32.639,29.857 33.909,29.857 35.179,29.857 36.449,29.857 37.719,29.857 32.639,30.873 33.909,30.873 35.179,30.873 36.449,30.873 37.719,30.873 32.639,37.858 33.909,37.858 35.179,37.858 36.449,37.858 37.719,37.858 32.639,38.874 33.909,38.874 35.179,38.874 36.449,38.874 37.719,38.874 36.449,39.89 37.719,39.89 32.639,40.906 33.909,40.906 35.179,40.906 36.449,40.906 37.719,40.906
  other v2: 72.517,-36.576 67.437,-36.195 72.517,-36.005 72.517,-35.433 67.437,-35.179 72.517,-34.861 72.517,-34.29 67.437,-34.163 58.166,-33.973 60.452,-33.973 62.738,-33.973 31.807,-32.754 29.407,-27.674 44.139,-27.547 26.289,-27.133 62.687,-25.642 65.837,-25.642 38.775,-25.555 40.553,-24.205 37.425,-23.777 63.062,-23.229 39.203,-22.427 21.914,-19.165 70.104,-17.583 72.517,-17.583 55.499,-15.679 51.668,-14.579 23.495,-12.757 51.746,-11.303 32.004,-8.833 70.993,14.986 71.755,14.986 73.406,14.986 74.168,14.986 76.454,19.558 77.978,19.558 41.402,20.955 42.037,20.955 42.672,20.955 41.402,21.59 42.037,21.59 42.672,21.59 41.402,22.225 42.037,22.225 42.672,22.225 71.882,26.67 72.504,26.682 73.152,26.67 21.336,30.099 21.336,30.734 21.844,30.734 21.336,31.369 41.529,41.148 42.164,41.148 42.799,41.148 41.529,41.662 42.164,41.662 42.799,41.662 41.529,42.291 42.164,42.291 42.799,42.291

## Polygon pours and split planes (outlines as drawn)
no net on Top Layer "Top Layer-No Net" (solid, pour order 25): 83.693,-41.529 83.693,-31.877 76.835,-31.877 76.835,-41.529
no net on Top Layer "Top Layer-No Net" (solid, remove dead copper, pour order 20): 19.431,-8.89 19.558,-8.763 30.607,-8.763 30.607,-7.493 30.734,-7.366 37.846,-7.366 64.785,-7.366 64.785,0.254 64.785,0.381 83.693,0.381 83.693,-32.639 71.628,-32.639 54.61,-32.639 54.61,-41.275 54.61,-41.529 19.431,-41.529
no net on Top Layer "Top Layer-No Net" (solid, remove dead copper, pour order 23): 53.467,-35.56 66.548,-35.56 66.548,-37.465 68.072,-37.465 68.834,-37.465 69.088,-37.465 69.215,-37.465 69.262,-37.418 69.262,-32.639 69.262,-30.908 69.088,-30.734 67.945,-31.877 53.467,-31.877
no net on Top Layer "Top Layer-No Net" (solid, remove dead copper, pour order 32): 19.05,49.403 19.05,5.08 84.074,5.08 84.074,49.403
no net on Top Layer "Top Layer-No Net" (solid, remove dead copper, pour order 30): 26.924,22.86 27.686,22.098 38.735,22.098 38.735,16.51 29.083,16.51 26.797,18.796
no net on Top Layer "Top Layer-No Net" (solid, remove dead copper, pour order 29): 27.178,42.672 27.686,42.164 38.735,42.164 38.735,36.576 30.734,36.576 27.178,33.02 26.416,33.02 26.416,42.418
no net on Top Layer "Top Layer-No Net" (solid, remove dead copper, pour order 27): 37.211,49.403 51.816,49.403 51.943,49.403 51.943,43.307 37.211,43.307
no net on Bottom Layer "Top Layer-No Net" (solid, pour order 26): 83.693,-41.529 76.835,-41.529 76.835,-31.877 83.693,-31.877
no net on Bottom Layer "Top Layer-No Net" (solid, remove dead copper, pour order 24): 53.467,-35.56 66.548,-35.56 66.548,-37.719 70.358,-37.719 70.358,-32.385 53.594,-32.385 53.467,-32.258
no net on Bottom Layer "Top Layer-No Net" (solid, remove dead copper, pour order 21): 19.431,-10.541 19.431,0.381 35.052,0.381 35.052,-9.525 34.925,-9.652
no net on Bottom Layer "Top Layer-No Net" (solid, remove dead copper, pour order 19): 19.431,-8.89 19.558,-8.763 30.607,-8.763 30.607,-7.493 30.734,-7.366 37.846,-7.366 64.785,-7.366 64.785,0.254 64.785,0.381 83.693,0.381 83.693,-32.639 71.628,-32.639 54.61,-32.639 54.61,-41.275 54.61,-41.529 19.431,-41.529
no net on Bottom Layer "Top Layer-No Net" (solid, remove dead copper, pour order 17): 41.402,-22.352 45.974,-26.924 45.974,-27.178 46.99,-28.194 46.99,-26.797 46.99,-26.67 42.037,-21.717
no net on Bottom Layer "Top Layer-No Net" (solid, remove dead copper, pour order 18): 42.037,-21.717 40.132,-19.812 37.719,-19.812 37.592,-19.812 36.576,-20.828 37.338,-21.59 37.465,-21.59 38.481,-20.574 39.243,-20.574 39.624,-20.574 41.402,-22.352
no net on Bottom Layer "Top Layer-No Net" (solid, remove dead copper, pour order 22): 34.925,-25.273 37.719,-28.067 40.259,-28.067 40.386,-28.067 43.942,-24.511 43.434,-24.003 43.307,-24.003 43.053,-24.003 40.386,-26.67 39.624,-27.432 38.608,-27.432 38.354,-27.432 36.576,-25.654 35.56,-24.638
no net on Bottom Layer "Top Layer-No Net" (solid, remove dead copper, pour order 31): 19.05,49.403 84.074,49.403 84.074,5.08 19.05,5.08
no net on Bottom Layer "Top Layer-No Net" (solid, remove dead copper, pour order 28): 37.211,49.403 37.211,43.307 51.943,43.307 51.943,49.403

## Keep-outs
Keep-Out Layer:
  lines w0.254: 19.05,5.08 19.431,5.08 19.431,0.381 19.431,-41.529 83.693,-41.529 83.693,0.381 83.693,5.08 84.074,5.08 84.074,49.403 19.05,49.403 19.05,5.08 ; 35.052,-7.366 35.052,0.381 35.052,4.699 64.785,4.699 64.785,0.381 64.785,-7.366 35.052,-7.366

## Other copper
Top Layer:
  rectangle: 55.372,-41.148 65.786,-36.449
  rectangle: 69.469,-37.211 70.485,-27.178
  text "武汉理工大学" at 74.93,15.748 h1.27
  text "袁佳威" at 78.867,14.605 h1.27
  text "张艳松" at 74.93,14.478 h1.27
  text "李锐戈" at 74.803,13.208 h1.27
  text "晨风" at 74.803,12.065 h1.27
  text "2016" at 74.803,10.922 h1.27
  text "2016" at 81.407,-29.21 h1.27 r90
  text "袁佳威" at 80.137,-29.464 h1.27 r90
  text "晨风" at 82.55,-33.147 h1.27 r90
  text "张艳松" at 80.137,-33.274 h1.27 r90
  text "李锐戈" at 81.407,-33.274 h1.27 r90
  text "武汉理工大学" at 78.867,-33.528 h1.27 r90
Bottom Layer:
  rectangle: 19.812,0.044 34.715,5.461
  rectangle: 65.151,0.044 83.356,5.461
  rectangle: 66.548,-41.148 76.454,-38.227
  rectangle: 74.422,-41.148 76.454,-36.703
  rectangle: 71.628,-35.179 76.327,-33.528
  rectangle: 71.628,-37.719 73.152,-33.528
  rectangle: 50.419,-19.812 62.357,-18.288
  rectangle: 61.087,-16.383 65.659,-14.732
  rectangle: 35.56,-17.78 52.832,-15.875
  rectangle: 48.768,-16.002 49.911,-10.541
  rectangle: 64.897,-26.543 65.913,-17.907
  rectangle: 21.209,29.718 31.369,31.75
  rectangle: 70.612,14.351 74.422,18.542
  rectangle: 71.501,19.304 73.533,26.924
  rectangle: 52.832,17.272 78.74,20.32
  rectangle: 49.53,6.477 54.991,26.924
  rectangle: 31.115,6.477 53.467,12.065
  rectangle: 31.115,26.543 53.467,32.131
  rectangle: 53.213,20.066 56.515,49.022

## Silkscreen, mask and mechanical layers (free items; w line width, h text height)
Top Overlay:
  text "10K" at 62.484,45.478 h1.27 r90
  text ">" at 28.702,44.323 h1.27 r270
  text "10uF" at 50.165,41.656 h1.27
  text "D" at 28.575,40.906 h1.27 r270
  text "20R" at 45.085,40.652 h1.27
  text ">" at 28.33,40.557 h2 r270
  text "10K" at 58.039,38.874 h1.27 r90
  text ">" at 56.896,35.445 h1.27 r270
  text "D" at 56.896,34.429 h1.27 r270
  text ">" at 56.896,33.032 h1.27 r270
  text ">" at 20.955,32.893 h1.27 r270
  text ">" at 61.468,31.127 h1.27 r270
  text "10uF" at 57.912,29.984 h1.27
  text "180R" at 78.359,28.206 h1.27 r90
  text "20R" at 45.085,27.19 h1.27
  text "1.5uF" at 49.53,27.19 h1.27
  text "D" at 61.722,26.809 h1.27
  text "10uF" at 83.439,23.888 h1.27 r90
  text ">" at 61.468,23.38 h1.27 r270
  text "470pF" at 63.119,23.38 h1.27
  text "D" at 23.123,22.904 h1.27 r270
  text ">" at 22.878,22.556 h2 r270
  text "10uF" at 50.038,21.729 h1.27
  text "0.22R" at 77.724,21.348 h1.27 r90
  text "20R" at 45.212,20.586 h1.27
  text "10K" at 66.802,20.078 h1.27
  text "1.2K" at 71.501,20.078 h1.27
  text ">" at 56.896,14.871 h1.27 r270
  text "10K" at 61.214,13.601 h1.27 r90
  text "D" at 57.023,13.093 h1.27
  text ">" at 56.896,12.585 h1.27 r270
  text "20R" at 45.212,10.807 h1.27
  text ">" at 26.924,9.017 h1.27 r270
  text "1.5uF" at 49.403,7.251 h1.27
  text "LED_R" at 70.612,6.362 h1.27
  text "104" at 77.47,-8.878 h1.27 r270
  text "1nF" at 22.225,-12.065 h1.27 r90
  text "LED_W" at 54.229,-12.446 h1.27
  text "10uF" at 79.756,-12.815 h1.27
  text "104" at 31.115,-13.081 h1.27
  text "10K" at 74.803,-17.018 h1.27 r90
  text "10K" at 68.58,-17.145 h1.27 r90
  text "4K" at 26.162,-17.26 h1.27 r90
  text "6K" at 26.162,-19.673 h1.27 r90
  text "LED_B" at 24.892,-32.385 h1.27 r90
  text "0R" at 65.151,-36.183 h1.27 r90
Bottom Overlay:
  text "10K" at 81.534,-10.402 h1.27
  text "C" at 42.799,-12.815 h1.27
  text "C" at 39.878,-12.942 h1.27
  text "D" at 64.897,-13.831 h1.27
  text "D" at 34.671,-14.466 h1.27
  text "C" at 59.055,-14.466 h1.27
  text "F" at 61.849,-14.466 h1.27
  text "C" at 55.753,-14.593 h1.27
  text ">" at 34.798,-15.228 h1.27 r90
  text ">" at 66.929,-17.006 h1.27 r90
  text "C" at 67.564,-23.737 h1.27 r180
  text "104" at 28.702,-26.531 h1.27 r90
  text "10K" at 46.482,-26.531 h1.27
  text "10uH" at 28.702,-28.944 h1.27 r90
  text "10uH" at 35.814,-30.595 h1.27
  text "103" at 38.1,-30.595 h1.27
  text "104" at 40.259,-30.595 h1.27
  text "103" at 28.702,-31.865 h1.27 r90
  text "C" at 66.167,-35.294 h1.27 r180
  text "F" at 77.343,-35.941 h1.27
  text "10K" at 30.226,-36.564 h1.27 r90
  text "104" at 52.451,-38.088 h1.27 r90
  text "104" at 30.226,-39.485 h1.27 r90
Mechanical 15:
  lines w0.254: 19.431,7.112 19.431,49.022 35.052,49.022 35.052,41.275 64.785,41.275 64.785,49.022 83.693,49.022 83.693,7.112 19.431,7.112
  text "此处掏空" at 42.418,-2.921 h5

## Text inside footprints (layer, text, board x,y; h text height)
C2: Top Overlay "+" at 72.072,16.763 h1.2 r180
L1: Top Overlay "+" at 74.163,39.14 h2 r180
P8: Top Overlay "1" at 78.994,-16.764 h1.27 r270; Top Overlay "2" at 81.534,-16.256 h1.27 r270; Top Overlay "5" at 78.994,-25.4 h1.27 r270; Top Overlay "6" at 81.534,-25.4 h1.27 r270